# Altium PCB Power adapter board.PcbDoc
Units mil, origin at the board's own origin, x right, y up, seen from the top; angles counter-clockwise.
Board outline 5901.57 x 3937.01 mil, 2 copper layers (Top Layer, Bottom Layer); 29 components, 13 nets, 120 pads, 10 vias.
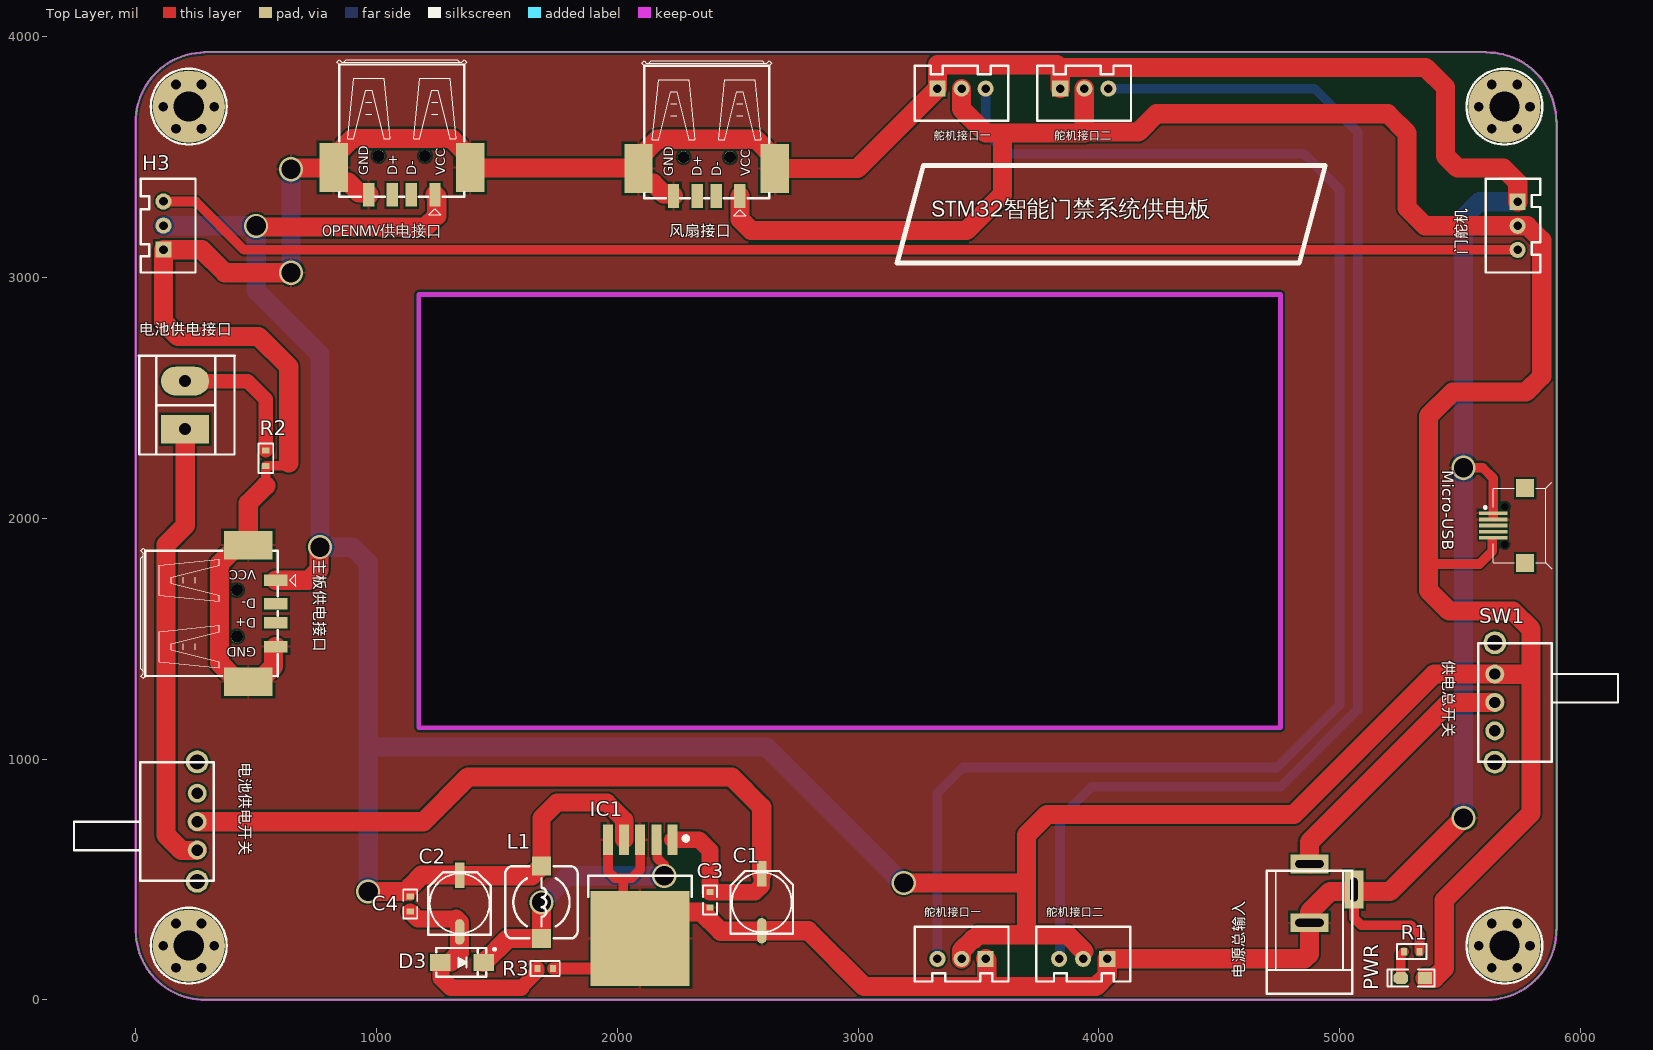
[diagram p0: Top Layer view]
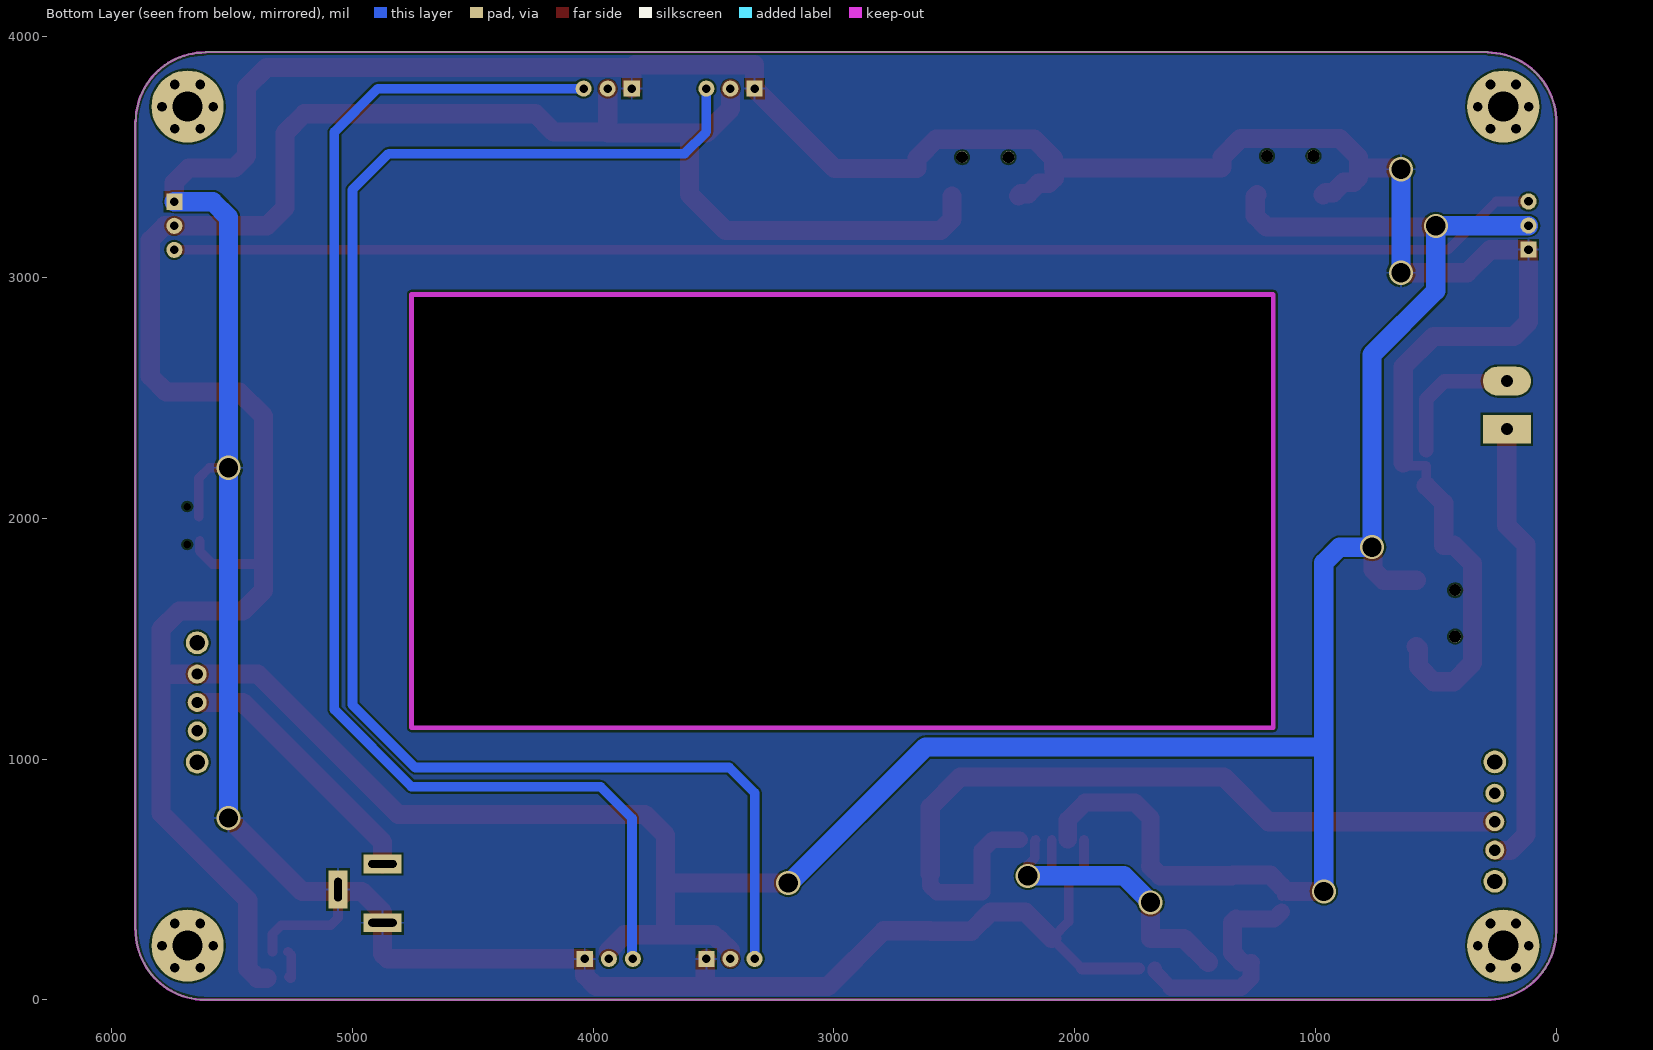
[diagram p1: Bottom Layer view, seen from below]
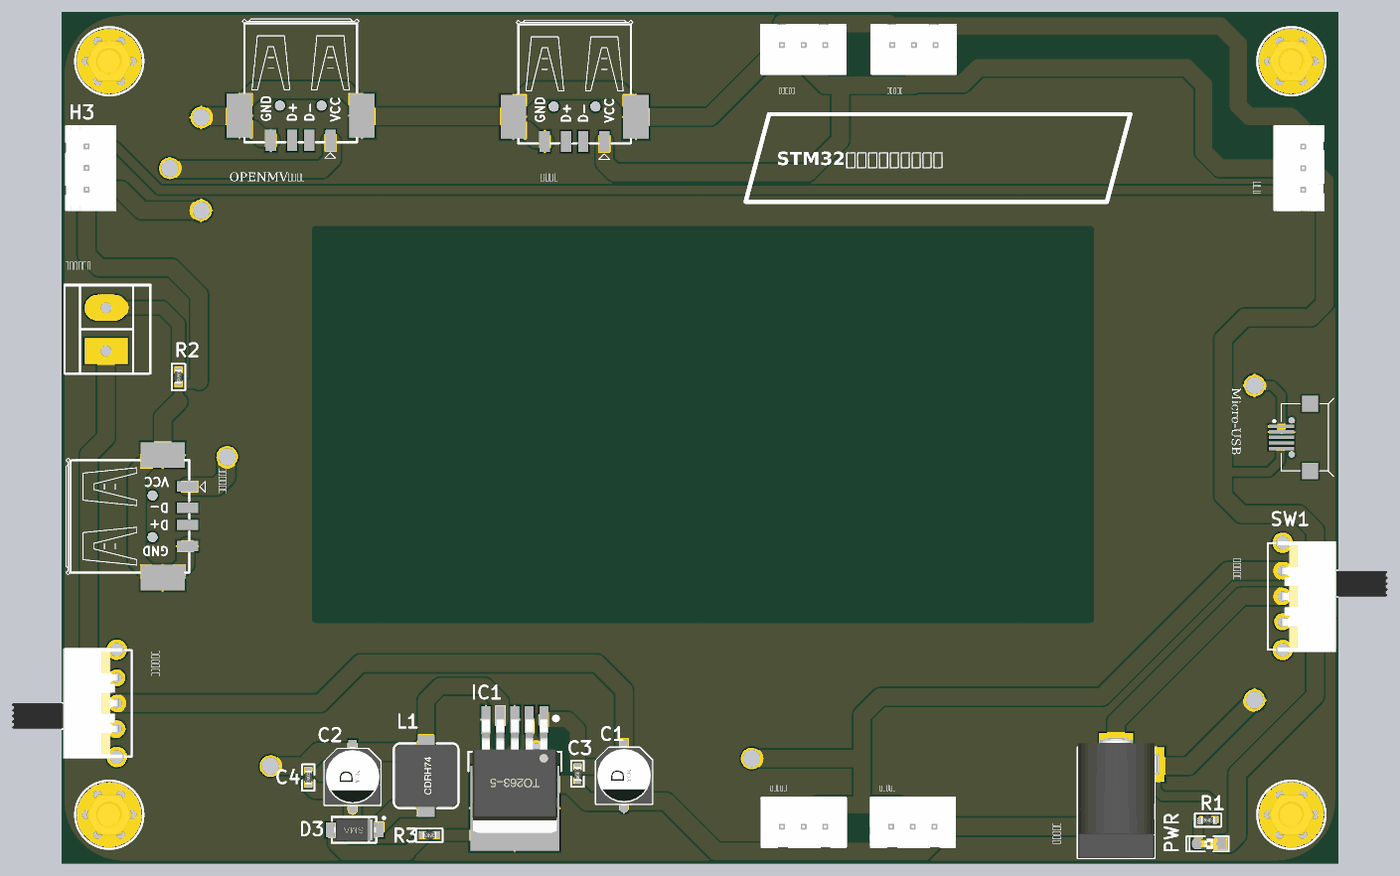
[diagram p2: 3D render of the assembled board from above, using the file's embedded part models]

## Layer stack, top to bottom
Top Solder: solder mask 0.4, Solder Resist, Dk 3.5
Top Layer: signal copper 1.4
Dielectric 1: dielectric 12.6, FR-4, Dk 4.8
Bottom Layer: signal copper 1.4
Bottom Solder: solder mask 0.4, Solder Resist, Dk 3.5

## Board outline
0,285 ccw(c287.5,287.5) 290,0 5615,0 ccw(c5612.5,287.5) 5900,290 5901.57,291.57 5901.57,725 5901.57,3650 5900,3650 ccw(c5612.5,3647.5) 5610,3935 5610,3937.01 285,3937.01 285,3934.99 ccw(c287.5,3647.49) 0,3644.99 0,3645
cut-out: 1175,1130 4755,1130 4755,2930 1175,2930

## Design rules (kind name [scope] priority, off if disabled: settings)
Clearance [All] p1: gap=8 ignorepadtopadclearanceinfootprint=TRUE
PolygonConnect [All] p1: connectstyle=Relief reliefconductorwidth=10 reliefentries=4 polygonreliefangle="90 Angle" airgapwidth=10
RoutingVias [All] p1: holewidth=28 width=50 viastyle="Through Hole" minholewidth=28 minwidth=50 maxholewidth=28 maxwidth=50
SolderMaskExpansion [All] p1: expansion=4
Width [All] p1: maxlimit=100 minlimit=8 preferedwidth=10 minimp=50.000000 maximp=50.000000 favimp=50.000000
30 further rules are at their usual default settings.

## Classes and differential pairs
component class 电源转接板: C1 C2 C3 C4 D3 H3 IC1 L1 R1 R2 R3 SW1

## Components (designator, comment, footprint, x,y, rotation, side; value= is the part's Value field where it differs from the comment)
C1 "220UF" "CM D(6.3*5.4)" 2600,405 r90 top
C2 "220UF" "CM D(6.3*5.4)" 1345,400 r90 top
C3 "104" 0603C 2385,415 r90 top
C4 "104" 0603C 1140,398 r90 top
D3 "ES2D(快速恢复)" SMA 1355,155 r0 top
H3 "HEADER 1X3" XH2.54-LI-3P 115,3216 r90 top
IC1 "LM2596-5.0V" TO263-5A 2095,665 r180 top
L1 "33uH" CDRH74 1685,405 r270 top
Micro-USB "USB-mrico" Micro_USB 5705,1970 r90 top (schematic designator U1)
OPENMV供电接口 "USB-A" USB-A/S_C 1105,3505 r180 top (schematic designator USB-A1)
PWR "LED" "LED 0805" 5305,90 r180 top (schematic designator D2)
R1 "3.3K" 0603R 5300,200 r0 top
R2 "0R" 0603R 540,2250 r270 top
R3 "0R" 0603R 1700,130 r180 top
SP1 "M3铜柱" M3x4+6_N 220,3710 r0 top
SP2 "M3铜柱" M3x4+6_N 5685,3710 r0 top
SP3 "M3铜柱" M3x4+6_N 5685,225 r0 top
SP4 "M3铜柱" M3x4+6_N 220,225 r0 top
SW1 "SS12-D10" SS-12F23 5645,1235 r0 top
SW? "SS12-D10" SS-12F23 255,740 r180 top
主板供电接口 "USB-A" USB-A/S_C 420,1605 r270 top (schematic designator USB-A2)
电池供电接口 "两脚接线柱" 两脚接线柱 1172.21,2596.76 r90 top (schematic designator J1)
电源总输入 "DC-005 5.5*2.1MM" DC-005 4875,320 r270 top (schematic designator D1)
舵机接口一 "HEADER 1X3" XH2.54-LI-3P 3430,3785 r0 top (schematic designator H4)
舵机接口一 "HEADER 1X3" XH2.54-LI-3P 3430,170 r180 top (schematic designator H1)
舵机接口二 "HEADER 1X3" XH2.54-LI-3P 3940,3785 r0 top (schematic designator H5)
舵机接口二 "HEADER 1X3" XH2.54-LI-3P 3935,170 r180 top (schematic designator H2)
门舵机 "HEADER 1X3" XH2.54-LI-3P 5740,3215 r270 top (schematic designator H6)
风扇接口 "USB-A" USB-A/S_C 2371.46,3500 r180 top (schematic designator USB-A3)

## Footprints (in the part's own frame and the unit in brackets; to place one, negate y for a bottom-side part, rotate by r counter-clockwise, add the part's x,y. Pads: shape width x height; smd on the part's side, far side on the other; paste and mask are expansions set on the pad)
0603C [mil] "1.6mmx0.8mm（蒜米工坊）"
  rect 25x30 smd: 1(-32,0) 2(32,0)
  silkscreen extent -61,-29 60,29, body extent -32,-16 31,16, height 18
0603R [mil]
  rect 25x30 smd: 1(-32,0) 2(32,0)
  silkscreen extent -61,-31 61,31, body extent -32,-16 31,16, height 18
CDRH74 [mm] "7.3*7.3*4.5mm（长宽高）"
  rect 2x2 smd: 1(-3.81,0) 2(3.81,0)
  silkscreen extent -3.81,-3.81 3.81,3.81, body extent -3.65,-3.65 3.65,3.65, height 4.5
"CM D(6.3*5.4)" [mm] "贴片电解电容，直径6.3mm，高5.4mm"
  rect 2.7x1 smd: 1(3,0)
  oval 2.7x1 smd: 2(-3,0)
  silkscreen extent -3.3,-3.3 3.3,3.3, body extent -3.5,-3.3 3.5,3.3, height 5.4
DC-005 [mm] "5.5*2.1mm，DC30V,2.5A"
  rect 2x4 hole 0.8 slot 3 at 90 deg: 1(-6.2,0) 2(0,0)
  rect 4x2 hole 0.8 slot 2.5 at 0 deg: 3(-3.5,4.7)
  silkscreen extent -5.48,-4.5 7.5,4.5, body extent -6.55,-4.5 7.5,4.8, height 11.2
"LED 0805" [mil] "LED 贴片发光二极管 0805"
  rect 60x50 smd: 1(-50,0)
  oct 60x50 smd: 2(50,0)
  silkscreen extent -90,-35 105,35, body extent -39,-25 39,25, height 32
M3x4+6_N [mil] "M3铜柱，长：4mm，螺纹长：6mm"
  round 40 hole 40: 1(-106,0) 1(-53,-91.8) 1(-53,91.8) 1(53,-91.8) 1(53,91.8) 1(106,0)
  round 300 hole 125: 1(0,0)
  silkscreen extent -157,-157 157,157, body extent -106,-93 106,93, height 159
Micro_USB [mm]
  rect 0.4x3 smd: 1(1.3,1.679) 2(0.65,1.679) 3(0,1.679) 4(-0.65,1.679) 5(-1.3,1.679)
  round 0 hole 0.8 unplated: MH1(2,0.471) MH2(-2,0.471)
  rect 1.9x1.9 smd: ""(-3.95,-1.679) ""(3.95,-1.679)
  silkscreen extent -4.57,-4.46 4.57,2.64
SMA [mm] "4.5x2.6*2.2mm（长宽高，不包括引脚）"
  rect 2.2x1.75 smd: 1(-2.3,0) 2(2.3,0)
  silkscreen extent -2.7,-1.52 3.56,1.52, body extent -2.53,-1.3 2.58,1.3, height 2.15
SS-12F23 [mm] "脚距3mm"
  round 2.4 hole 1.6: 0(0,-6.3) 0(0,6.3)
  round 2 hole 1.2: 1(0,3) 2(0,0) 3(0,-3)
  silkscreen extent -1.75,-6.25 13,6.25, body extent -0.61,-6.52 12.29,6.48, height 5.75
TO263-5A [mm] "263，5脚晶体管"
  rect 1.05x3.2 smd: 1(-3.4,0) 2(-1.7,0) 3(0,0) 4(1.7,0) 5(3.4,0)
  rect 10.45x10 smd: 3(0,10.414)
  silkscreen extent -5.46,-0.33 5.46,6.04, body extent -5,-0.01 5,13.32, height 4.5
USB-A/S_C [mm] "A型贴片母头，"
  rect 1.2x2.5 smd: 1(-3.5,4.1) 2(-1,4.1) 3(1,4.1) 4(3.5,4.1)
  rect 3x5.15 smd: 4(-7.2,1.2) 4(7.2,1.2)
  round 1.25 hole 1.25 unplated: 7(-2.45,0) 8(2.45,0)
  silkscreen extent -6.85,-10.17 6.86,6.19, body extent -7.75,-9.9 7.75,4.8, height 7.4
XH2.54-LI-3P [mm] "接插件，3P"
  rect 1.7x1.7 hole 0.9: 1(-2.54,0)
  round 1.7 hole 0.9: 2(0,0) 3(2.54,0)
  silkscreen extent -4.95,-3.38 4.93,2.39, body extent -5.04,-3.3 5.04,2.4, height 7.03
两脚接线柱 [mil]
  rect 120x200 hole 50: 1(-226.76,967.21)
  oval 120x200 hole 50: 2(-26.76,967.21)
  silkscreen extent -332,762 78,1158, body extent -324,752 70,1067, height 433

## Part data
C1 C2: library part CAP-ELEC
C3 C4: library part CAP-0805
D3: library part M7, "整流二极管"
IC1: library part LM2596-5.0, "DC降压芯片"
L1: library part L, "功率电感"
Micro-USB: library part usb-STM
R1 R2 R3: library part Res2, "Resistor", LatestRevisionDate=17-Jul-2002, LatestRevisionNote="Re-released for DXP Platform.", Published=8-Jun-2000, Publisher="Altium Limited"
SP1 SP2 SP3 SP4: library part 铜柱加头大焊盘, "铜柱"
SW1 SW?: library part SS12-F23

## Via types
v1: diameter 100, hole 80, Top Layer to Bottom Layer, 10 vias

## Nets (pads, with @x,y where several pads share a name; then routed paths per layer and width w, separated by ;. In a path a pad name is that pad's centre, name@x,y a point inside that pad or via, vN(x,y) a via of type N, cw(c..) or ccw(c..) an arc to the next point about the centre after c; other vN are vias at no path point)
5V_GND: C2.2 C4.1 D3.1 R3.2 | length 925.3
  Top Layer w60: 1600,50 1668,118 R3.2
  Top Layer w70: C4.1 1171,335 1330,335 ; D3.1 1267.62,155 1268.17,154.45 1268.17,91.01 1309.18,50 1600,50
  Top Layer w80: 1308.31,158.31 1345,195 C2.2 1345,320 1330,335
BAT_GND: 
BATOUT: SW?.1 电池供电接口.1 | length 1875.8
  Top Layer w80: 电池供电接口.1 205,1970 125,1890 125,685 190,620 253.11,620 SW?.1
GND: C1.2 C3.1 H3.1 IC1.3 IC1.5 Micro-USB.1 Micro-USB.2 OPENMV供电接口.4 R1.2 R2.2 R3.1 主板供电接口.4 电源总输入.2 电源总输入.3 舵机接口一.1 舵机接口二.1 门舵机.1 风扇接口.4 | length 19098.3
  Top Layer w40: 540,2135 R2.2 623,2218 635,2230 ; v1(645,3450) v1@650,3455 ; OPENMV供电接口.4@781.97,3455 OPENMV供电接口.4@821.54,3415.43 ; IC1.5 1961.14,533.86 1990,505 2025,505 ; IC1.3@1970,130 2095,255 2025,325 2025,505 ; IC1.3@2095,665 2095,540 2060,505 2025,505 ; 电源总输入.3@5067.83,450 电源总输入.3 电源总输入.3 5060,340 5090,310 5295,310 5332,273 R1.2 ; v1(5515,2210) 5595,2210 5638.9,2166.1 Micro-USB.1 5638.9,2005.87
  Top Layer w50: R3.1 IC1.3@1970,130
  Top Layer w80: 540,2135 467.24,2062.24 467.24,1888.46 424.92,1888.46 347.39,1810.94 347.39,1399.06 424.92,1321.54 467.24,1321.54 509.57,1321.54 572.2,1384.17 572.2,1457.99 主板供电接口.4@581.42,1467.2 ; 635,2230 635,2630 510,2755 175,2755 115,2815 H3.1 116,3115 275,3115 370,3020 v1(645,3020) ; v1@650,3455 OPENMV供电接口.4@781.97,3455 ; OPENMV供电接口.4@967.2,3343.58 957.99,3352.8 926.5,3352.8 882.91,3396.38 840.59,3396.38 821.54,3415.43 821.54,3457.76 821.54,3500.08 899.06,3577.61 1310.94,3577.61 1388.46,3500.08 1388.46,3457.76 1390.96,3455.26 风扇接口.4@2085.49,3455.26 ; IC1.3@2095,255 2205,365 2349.62,365 2429.62,285 2598.11,285 C1.2 2793.11,286.89 3025,55 3535,55 ; 风扇接口.4@2233.66,3338.58 2224.45,3347.8 2192.95,3347.8 2149.37,3391.38 2107.05,3391.38 2085.49,3412.93 风扇接口.4@2085.49,3455.26 ; 舵机接口一.1@3530,170 3535,165 3535,55 ; 舵机接口二.1@3840,3785 3840,3870 ; 舵机接口二.1@4035,170 4035,101.86 3988.14,55 3535,55 ; 舵机接口二.1@4039,170 4855,170 4875,190 电源总输入.2 4875,365 4960,450 5029.72,450 电源总输入.3@5040.98,438.74 ; 电源总输入.3@5067.83,450 5210,450 v1(5515,755) ; 门舵机.1 5740,3395 5680,3455 5490,3455 5440,3505 5440,3790 5357,3873 3843,3873 3840,3870 ; 风扇接口.4@2085.49,3455.26 2087.99,3452.76 2087.99,3495.08 2167.91,3575 2575,3575 2654.92,3495.08 2654.92,3452.76 2997.76,3452.76 3330,3785 3330,3884.01 3825.99,3884.01 3840,3870
  Bottom Layer w80: v1(645,3020) v1(645,3450) ; v1(5515,755) v1(5515,2210) 5515,3250 5580,3315 门舵机.1
GNDBAT: R2.1 电池供电接口.2 | length 579.1
  Top Layer w60: 电池供电接口.2 465,2570 540,2495 R2.1
NetD2_K: PWR.2 R1.1 | length 126.1
  Top Layer w40: PWR.2@5263.61,95 5258.61,90 PWR.2 5255,187 R1.1
NetD3_2: D3.2 IC1.2 L1.2 | length 1155
  Top Layer w40: v1(1685,405) v1@1687.5,402.5 ; IC1.2 2165.86,661.07 2165.86,589.14 2195,560 v1(2195,515)
  Top Layer w80: D3.2 1445.55,157.24 1448.86,160.55 1451.1,160.55 1545.55,255 L1.2 v1(1685,405)
  Bottom Layer w80: v1(1685,405) 1795,515 v1(2195,515)
OUT5V: SW1.2 电源总输入.1 | length 1101.1
  Top Layer w80: 电源总输入.1 4875,655 5455,1235 SW1.2
PWM1: 舵机接口一.3 | length 6401.4
  Bottom Layer w40: 舵机接口一.3@3330,170 3329,171 3329,859 3435,965 4740,965 5000,1225 5000,3365 4850,3515 3620,3515 3530,3605 舵机接口一.3@3530,3785
PWM2: 舵机接口二.3 | length 5518
  Bottom Layer w40: 舵机接口二.3@3835,170 3839,174 3839,754 3970,885 4755,885 5075,1205 5075,3605 4895,3785 舵机接口二.3@4040,3785
PWM3: H3.3 门舵机.3 | length 5708.3
  Top Layer w40: H3.3 249,3316 450,3115 门舵机.3
VCC5V: C2.1 C4.2 H3.2 IC1.4 L1.1 Micro-USB.5 OPENMV供电接口.1 PWR.1 SW1.1 主板供电接口.1 舵机接口一.2 舵机接口二.2 门舵机.2 风扇接口.1 | length 21372.4
  Top Layer w40: v1(500,3215) v1@505,3210 ; 1120,450 C4.2 1140,470 ; 3940,3600 3945,3605 ; 5410,1810 5581.57,1810 5635,1863.43 5635,1906.69 ; SW1.1 SW1.1@5645.8,1352.31
  Top Layer w75: L1.1 1685,755 1749.5,819.5 1956.17,819.5 2028.83,746.84 2028.83,665.76 IC1.4
  Top Layer w80: v1@505,3210 1203.14,3210 1250,3256.86 1250,3336.38 OPENMV供电接口.1 ; 主板供电接口.1 717.8,1742.8 761.17,1786.17 761.17,1876.17 v1(765,1880) ; v1(965,450) 1120,450 ; 1140,470 1188.11,518.11 C2.1 1348.11,515 1645,515 L1.1 ; 风扇接口.1 2509.25,3241.86 2556.11,3195 3450,3195 3600,3345 3600,3600 ; v1(3190,485) 3700,485 ; 舵机接口一.2@3430,170 3430,204.81 3476.65,251.46 3481.46,251.46 3500,270 3700,270 ; 舵机接口一.2@3430,3785 3430,3700 3530,3600 3600,3600 ; 舵机接口二.2@3939,201 3870,270 3700,270 ; 舵机接口二.2@3940,3785 3940,3600 3600,3600 ; 3945,3605 4165,3605 4240,3680 5200,3680 5280,3600 5280,3290 5355,3215 门舵机.2 5780,3215 5840,3155 5840,2590 5775,2525 5470,2525 5370,2425 5370,1700 5455,1615 5720,1615 5795,1540 5795,1352.31 ; PWR.1 5395,90 5435,130 5435,415 5795,775 5795,1352.31 ; SW1.1 5393.11,1353.11 4810,770 3785,770 3700,685 3700,485 ; SW1.1@5645.8,1352.31 5795,1352.31 ; 3700,270 3700,485
  Bottom Layer w40: H3.2 H3.2@115.5,3215.5 ; v1@499.5,3215.5 v1(500,3215)
  Bottom Layer w80: H3.2@115.5,3215.5 v1@499.5,3215.5 ; v1(500,3215) 500,2945 765,2680 v1(765,1880) 900,1880 965,1815 965,1030 ; v1(965,450) 965,1030 ; v1(3190,485) 3185,485 2620,1050 985,1050 965,1030
VCCBAT: C1.1 C3.2 IC1.1 SW?.2 | length 3372.8
  Top Layer w70: IC1.1 2340,665 2385,620 C3.2 2572,447 2600,475 C1.1
  Top Layer w80: SW?.2 1195,740 1380,925 2475,925 2600,800 C1.1
pads on no net: Micro-USB. Micro-USB.3 Micro-USB.4 Micro-USB.MH1 Micro-USB.MH2 OPENMV供电接口.2 OPENMV供电接口.3 OPENMV供电接口.7 OPENMV供电接口.8 SP1.1 SP2.1 SP3.1 SP4.1 SW1.0 SW1.3 SW?.0 SW?.3 主板供电接口.2 主板供电接口.3 主板供电接口.7 主板供电接口.8 风扇接口.2 风扇接口.3 风扇接口.7 风扇接口.8

## Polygon pours and split planes (outlines as drawn)
no net on Top Overlay (solid): 285,3934.99
GND on Top Layer (solid, remove dead copper, pour order 10): 285,3937.01 5652.99,3937.01 5665,3925 5715,3925 5740,3900 5760,3900 5785,3875 5790,3875 5820,3845 5825,3845 5825,3840 5850,3815 5850,3805 5875,3780 5875,3755 5890,3740 5890,3705 5900,3695 5900,3651.57 5901.57,3650 5901.57,261.57 5900,260 5900,235 5890,225 5890,200 5875,185 5875,165 5855,145 5855,130 5825,100 5825,95 5780,50 5770,50 5750,30 5740,30 5725,15 5680,15 5670,5 5620,5 5615,0 250,0 240,10 190,10 180,20 170,20 155,35 150,35 135,50 120,50 100,70 95,70 80,85 80,95 75,95 55,115 55,125 35,145 35,150 25,160 25,180 10,195 10,220 5,225 5,255 0,260 0,3644.98 0,3705 5,3710 5,3725 20,3740 20,3765 40,3785 45,3785 45,3800 60,3815 60,3825 75,3840 75,3845 100,3870 105,3870 125,3890 130,3890 140,3900 155,3900 165,3910 175,3910 185,3920 195,3920 200,3925 215,3925 225,3935 282.99,3935
GND on Bottom Layer (solid, remove dead copper, pour order 12): 285.01,3935 5650,3935 5660,3925 5695,3925 5700,3920 5725,3920 5745,3900 5760,3900 5785,3875 5795,3875 5820,3850 5825,3850 5840,3835 5840,3815 5860,3795 5860,3785 5875,3770 5875,3750 5890,3735 5890,3705 5895,3700 5895,3655 5901.57,3648.43 5901.57,271.57 5895,265 5895,215 5885,205 5885,180 5875,170 5875,155 5855,135 5855,130 5840,115 5840,105 5825,90 5820,90 5800,70 5795,70 5775,50 5770,50 5750,30 5735,30 5725,20 5700,20 5685,5 5670,5 5665,0 5615,0 240,0 230,10 180,10 180,15 160,35 140,35 115,60 110,60 85,85 85,95 40,140 40,150 20,170 20,200 5,215 5,240 0,245 0,285 0,3670 5,3675 5,3725 20,3740 20,3765 45,3790 45,3805 75,3835 75,3845 80,3845 105,3870 110,3870 130,3890 135,3890 135,3895 145,3905 165,3905 175,3915 200,3915 215,3930 280.01,3930

## Keep-outs
Keep-Out Layer:
  lines w10: 285,3934.99 ccw(c287.5,3647.49) 0,3644.99 0,285 ccw(c287.5,287.5) 290,0 5615,0 ccw(c5612.5,287.5) 5900,290 ; 285,3937.01 5610,3937.01 ; 5610,3935 cw(c5612.5,3647.5) 5900,3650 ; 5901.57,291.57 5901.57,725 5901.57,3650
  lines w20: 1175,1130 4755,1130 4755,2930 1175,2930 1175,1130

## Silkscreen, mask and mechanical layers (free items; w line width, h text height)
Top Overlay:
  lines w20: 3162.03,3060 3270.55,3465 4940.55,3465 4832.03,3060 3162.03,3060
  text "STM32智能门禁系统供电板" at 3305,3230 h120
  text "供电总开关" at 5415,1410 h80 r270
  text "电池供电开关" at 415,985 h80 r270

## Text inside footprints (layer, text, board x,y; h text height)
OPENMV供电接口: Top Overlay "GND" at 965,3425 h40 r90; Top Overlay "D+" at 1085,3425 h40 r90; Top Overlay "D-" at 1165,3425 h40 r90; Top Overlay "VCC" at 1285,3425 h40 r90
主板供电接口: Top Overlay "GND" at 500,1465 h40 r180; Top Overlay "D+" at 500,1585 h40 r180; Top Overlay "D-" at 500,1665 h40 r180; Top Overlay "VCC" at 500,1785 h40 r180
风扇接口: Top Overlay "GND" at 2231.46,3420 h40 r90; Top Overlay "D+" at 2351.46,3420 h40 r90; Top Overlay "D-" at 2431.46,3420 h40 r90; Top Overlay "VCC" at 2551.46,3420 h40 r90